# KiCad board Galatea Keyboard PCB.kicad_pcb (continued)
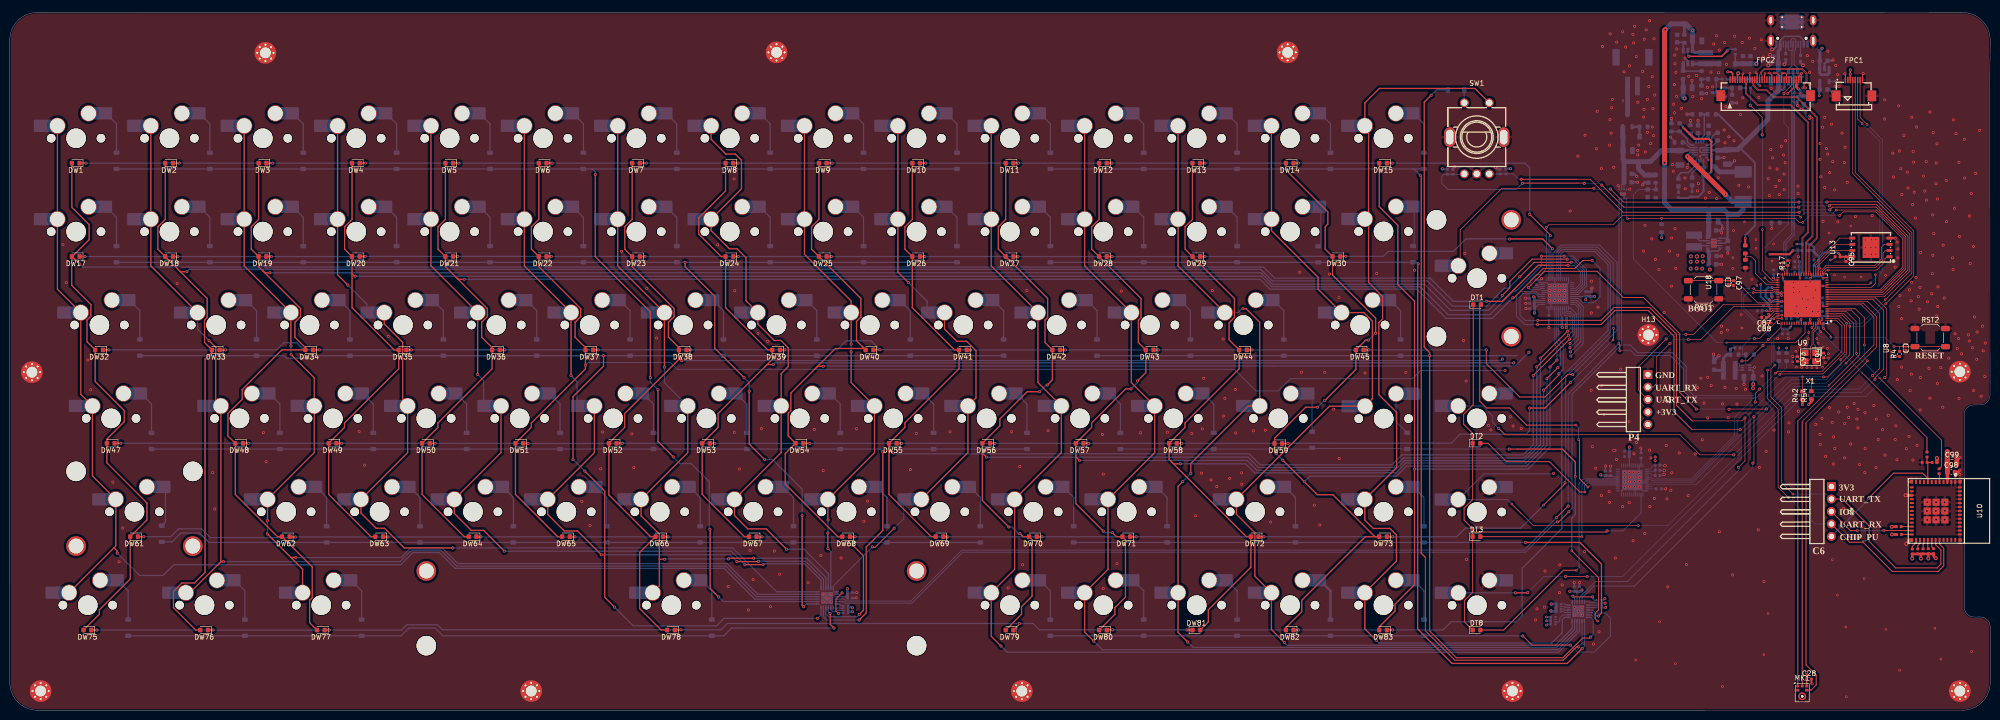
[diagram p0: board, top side]
## Library data of the parts (continued)
U4 = -: Datasheet: https://lcsc.com/product-detail/Others_Diodes-Incorporated_AP3032KTR-G1_Diodes-Incorporated-AP3032KTR-G1_C264086.html; LCSC Part: C264086; Manufacturer: DIODES(美台)
U5 = -: Datasheet: https://www.lcsc.com/datasheet/C3682812.pdf; LCSC Part: C3682812; Manufacturer: MPS(芯源)
U6 = -: Datasheet: https://www.st.com/resource/en/datasheet/usblc6-2.pdf; KiLib_Generator: package/gullwing; LCSC: C558442; JLCPCB part#: C7519; JLCPCB Part #: C7519; ki_fp_filters: SOT?23*
U8 U18 = -: Datasheet: https://www.lcsc.com/datasheet/C2936977.pdf; LCSC Part: C2936977; Manufacturer: TECH PUBLIC(台舟); MPN: ESD5451N
U9 = -: Datasheet: https://www.lcsc.com/datasheet/C22387510.pdf; LCSC Part: C22387510; Manufacturer: ESPRESSIF(乐鑫); MPN: ESP32-P4NRW32
U10 = -: Datasheet: https://www.lcsc.com/datasheet/C42403058.pdf; LCSC Part: C42403058; Manufacturer: ESPRESSIF(乐鑫)
U11 = -: Datasheet: https://www.ti.com/lit/gpn/tlv62569a; Description: High Efficiency Synchronous Buck Converter with forced PWM, Adjustable Output 0.6V-5.5V, 2A, SOT-563-6; KiLib_Generator: package/gullwing; LCSC: C398367; ki_fp_filters: SOT*563*
U12 = -: Datasheet: https://www.lcsc.com/datasheet/C41344912.pdf; LCSC Part: C41344912; Manufacturer: Coilcraft(线艺)
U13 = -: Datasheet: https://www.lcsc.com/datasheet/C2927043.pdf; LCSC Part: C2927043; Manufacturer: GigaDevice(兆易创新)
U14 = -: Datasheet: https://lcsc.com/product-detail/Low-Dropout-Regulators-LDO_RT9193-18GB_C27416.html; LCSC Part: C27416; Manufacturer: RICHTEK(立锜)
U15 = -: Datasheet: http://www.ti.com/lit/ds/symlink/tps63031.pdf; Description: Buck-Boost Converter, 1.8-5.5V Input Voltage, 1A Switch Current, 3.3V Output Voltage, VSON-10 (DSK0010A); KiLib_Generator: package/no_lead; LCSC Part: C15516; ki_fp_filters: WSON*1EP*2.5x2.5mm*P0.5mm*EP1.2x2mm*
U16 = -: Datasheet: https://www.lcsc.com/datasheet/C17382749.pdf; LCSC Part: C17382749; Manufacturer: Coilcraft(线艺)
U17 = -: Datasheet: https://www.lcsc.com/datasheet/C2682616.pdf; LCSC Part: C2682616; Manufacturer: ADI(亚德诺)/MAXIM(美信)
X1 = -: Datasheet: https://lcsc.com/product-detail/SMD-Crystal-Resonators_TAITIEN-Elec-XXDBBCNANF-40-000000MHZ_C521661.html; LCSC Part: C521661; Manufacturer: TAITIEN(泰艺电子)

## Footprints (pads in the part's own frame, mm; a bottom-side part is the same pattern mirrored in y, then rotated)
C_0402
  rrect 0.56x0.62 smd: 1(-0.5,0) 2(0.5,0)
C_0402_1005Metric
  rrect 0.56x0.62 smd: 1(-0.48,0) 2(0.48,0)
C_0603
  rrect 0.9x0.95 smd: 1(-0.78,0) 2(0.78,0)
C_0603_1608Metric
  rrect 0.9x0.95 smd: 1(-0.775,0) 2(0.775,0)
C_0805
  rrect 1x1.45 smd: 1(-0.95,0) 2(0.95,0)
C_0805_2012Metric
  rrect 1x1.45 smd: 1(-0.95,0) 2(0.95,0)
C_1206_3216Metric
  rrect 1.15x1.8 smd: 1(-1.475,0) 2(1.475,0)
CONN-SMD_P2.00_S2B-PH-SM4-TB-LF-SN
  rect 1x3.8 smd: 1(-1,2.93) 2(1,2.93)
  rect 1.5x3.4 smd: 3(3.35,-2.93) 4(-3.35,-2.93)
CRYSTAL-SMD_4P-L3.2-W2.5-BL
  rect 1.4x1.2 smd: 1(-1.1,-0.85) 2(1.1,-0.85) 3(1.1,0.85) 4(-1.1,0.85)
D_SOD-123
  rrect 0.9x1.2 smd: 1(-1.65,0) 2(1.65,0)
DFN1006-2L-BI-1
  rect 0.4x0.6 smd: 1(-0.32,0) 2(0.32,0)
FPC-SMD_8P-P0.50_FH12S-8S-0.5SH-55
  rect 0.3x1.3 smd: 1(-1.75,1.62) 2(-1.25,1.62) 3(-0.75,1.62) 4(-0.25,1.62) 5(0.25,1.62) 6(0.75,1.62) 7(1.25,1.62) 8(1.75,1.62)
  rect 1.8x2.2 smd: 9(3.65,-1.62) 10(-3.65,-1.62)
FPC-SMD_FH12-30S-0.5SH-55
  rect 0.28x1.35 smd: 1(-7.25,1.63) 2(-6.75,1.63) 3(-6.25,1.63) 4(-5.75,1.63) 5(-5.25,1.63) 6(-4.75,1.63) 7(-4.25,1.63) 8(-3.75,1.63) 9(-3.25,1.63) 10(-2.75,1.63) 11(-2.25,1.63) 12(-1.75,1.63) 13(-1.25,1.63) 14(-0.75,1.63) 15(-0.25,1.63) 16(0.25,1.63) 17(0.75,1.63) 18(1.25,1.63) 19(1.75,1.63) 20(2.25,1.63) 21(2.75,1.63) 22(3.25,1.63) 23(3.75,1.63) 24(4.25,1.63) 25(4.75,1.63) 26(5.25,1.63) 27(5.75,1.63) 28(6.25,1.63) 29(6.75,1.63) 30(7.25,1.63)
  rect 1.8x2.2 smd: 31(9.15,-1.63) 32(-9.15,-1.63)
HDR-TH_5P-P2.54-H-M-W10.4
  rect 1.8x1.8 hole 1.1: 1(-5.08,0)
  round 1.8 hole 1.1: 2(-2.54,0) 3(0,0) 4(2.54,0) 5(5.08,0)
IND-SMD_L3.0-W3.0_LPS3015-222ML
  rect 1.5x3.24 smd: 1(-1.19,0) 2(1.19,0)
IND-SMD_L3.0-W3.0_SWPA3010S
  rect 1x3 smd: 1(1.15,0) 2(-1.15,0)
IND-SMD_L4.0-W4.0-A
  rect 1x3.8 smd: 1(-1.2,0) 2(1.2,0)
IND-SMD_L6.6-W6.6
  rect 2.35x3.5 smd: 1(-3.03,0) 2(3.03,0)
InvenSense_ICS-43434-6_3.5x2.65mm
  round 0.5 hole 0.5 unplated: (0,-0.71)
  rect 0.6x0.522 smd: 1(-0.9,1.364) 2(-0.9,0.542) 4(0.9,0.542) 5(0.9,1.364) 6(0,1.364)
  custom 1.625x1.625 smd: 3(0.662,-0.71)
L0603
  rect 0.8x0.864 smd: 1(-0.7,0) 2(0.7,0)
LED_0603_1608Metric
  rrect 0.875x0.95 smd: 1(-0.787,0) 2(0.787,0)
MountingHole_2.2mm_M2_Pad_Via
  round 0.7 hole 0.4: 1(-1.65,0) 1(-1.167,1.167) 1(-1.167,-1.167) 1(0,1.65) 1(0,-1.65) 1(1.167,1.167) 1(1.167,-1.167) 1(1.65,0)
  round 4.4 hole 2.2: 1(0,0)
Q_SOT-23
  rrect 1.48x0.6 smd: 1(-0.94,0.95) 2(-0.94,-0.95) 3(0.94,0)
QFN-20_L4.0-W3.0-P0.50_MP2625BGL
  oval 0.79x0.28 smd: 1(-1.41,1.25) 6(-1.41,-1.25) 11(1.41,-1.25) 16(1.41,1.25)
  oval 1.5x0.28 smd: 2(-1.11,0.75) 3(-1.11,0.25) 4(-1.11,-0.25) 5(-1.11,-0.75) 12(1.11,-0.75) 13(1.11,-0.25) 14(1.11,0.25) 15(1.11,0.75)
  oval 0.28x0.79 smd: 7(-0.75,-1.91) 8(-0.25,-1.91) 9(0.25,-1.91) 10(0.75,-1.91) 17(0.75,1.91) 18(0.25,1.91) 19(-0.25,1.91) 20(-0.75,1.91)
QFN-48-1EP_6x6mm_P0.4mm_EP4.2x4.2mm
  rrect 1.13x1.13 smd: (-1.4,-1.4) (-1.4,0) (-1.4,1.4) (0,-1.4) (0,0) (0,1.4) (1.4,-1.4) (1.4,0) (1.4,1.4)
  rrect 0.85x0.2 smd: 1(-2.95,2.2) 2(-2.95,1.8) 3(-2.95,1.4) 4(-2.95,1) 5(-2.95,0.6) 6(-2.95,0.2) 7(-2.95,-0.2) 8(-2.95,-0.6) 9(-2.95,-1) 10(-2.95,-1.4) 11(-2.95,-1.8) 12(-2.95,-2.2) 25(2.95,-2.2) 26(2.95,-1.8) 27(2.95,-1.4) 28(2.95,-1) 29(2.95,-0.6) 30(2.95,-0.2) 31(2.95,0.2) 32(2.95,0.6) 33(2.95,1) 34(2.95,1.4) 35(2.95,1.8) 36(2.95,2.2)
  rrect 0.2x0.85 smd: 13(-2.2,-2.95) 14(-1.8,-2.95) 15(-1.4,-2.95) 16(-1,-2.95) 17(-0.6,-2.95) 18(-0.2,-2.95) 19(0.2,-2.95) 20(0.6,-2.95) 21(1,-2.95) 22(1.4,-2.95) 23(1.8,-2.95) 24(2.2,-2.95) 37(2.2,2.95) 38(1.8,2.95) 39(1.4,2.95) 40(1,2.95) 41(0.6,2.95) 42(0.2,2.95) 43(-0.2,2.95) 44(-0.6,2.95) 45(-1,2.95) 46(-1.4,2.95) 47(-1.8,2.95) 48(-2.2,2.95)
  rect 4.2x4.2 smd: 49(0,0)
QFN-104_L10.0-W10.0-P0.35-TL-EP7.5
  rect 0.65x0.15 smd: 1(-5,4.37) 2(-5,4.02) 3(-5,3.67) 4(-5,3.32) 5(-5,2.98) 6(-5,2.63) 7(-5,2.28) 8(-5,1.93) 9(-5,1.58) 10(-5,1.23) 11(-5,0.88) 12(-5,0.53) 13(-5,0.18) 14(-5,-0.18) 15(-5,-0.53) 16(-5,-0.88) 17(-5,-1.23) 18(-5,-1.58) 19(-5,-1.93) 20(-5,-2.28) 21(-5,-2.63) 22(-5,-2.98) 23(-5,-3.33) 24(-5,-3.68) 25(-5,-4.02) 26(-5,-4.37) 53(5,-4.37) 54(5,-4.02) 55(5,-3.67) 56(5,-3.32) 57(5,-2.98) 58(5,-2.63) 59(5,-2.28) 60(5,-1.93) 61(5,-1.58) 62(5,-1.23) 63(5,-0.88) 64(5,-0.53) 65(5,-0.18) 66(5,0.18) 67(5,0.53) 68(5,0.88) 69(5,1.23) 70(5,1.58) 71(5,1.93) 72(5,2.28) 73(5,2.63) 74(5,2.98) 75(5,3.33) 76(5,3.68) 77(5,4.02) 78(5,4.37)
  rect 0.15x0.65 smd: 27(-4.37,-5) 28(-4.02,-5) 29(-3.67,-5) 30(-3.32,-5) 31(-2.98,-5) 32(-2.63,-5) 33(-2.28,-5) 34(-1.93,-5) 35(-1.58,-5) 36(-1.23,-5) 37(-0.88,-5) 38(-0.53,-5) 39(-0.18,-5) 40(0.18,-5) 41(0.53,-5) 42(0.88,-5) 43(1.23,-5) 44(1.58,-5) 45(1.93,-5) 46(2.28,-5) 47(2.63,-5) 48(2.98,-5) 49(3.33,-5) 50(3.68,-5) 51(4.02,-5) 52(4.37,-5) 79(4.37,5) 80(4.02,5) 81(3.67,5) 82(3.32,5) 83(2.98,5) 84(2.63,5) 85(2.28,5) 86(1.93,5) 87(1.58,5) 88(1.23,5) 89(0.88,5) 90(0.53,5) 91(0.18,5) 92(-0.18,5) 93(-0.53,5) 94(-0.88,5) 95(-1.23,5) 96(-1.58,5) 97(-1.93,5) 98(-2.28,5) 99(-2.63,5) 100(-2.98,5) 101(-3.33,5) 102(-3.68,5) 103(-4.02,5) 104(-4.37,5)
  rect 7.5x7.5 smd: 105(0,0)
R_0402
  rrect 0.56x0.62 smd: 1(-0.5,0) 2(0.5,0)
R_0402_1005Metric
  rrect 0.54x0.64 smd: 1(-0.51,0) 2(0.51,0)
R_0402_1005Metric_Pad0.72x0.64mm_HandSolder
  rrect 0.715x0.64 smd: 1(-0.598,0) 2(0.598,0)
R_0603
  rrect 0.8x0.95 smd: 1(-0.82,0) 2(0.82,0)
R_0603_1608Metric
  rrect 0.8x0.95 smd: 1(-0.825,0) 2(0.825,0)
R_0805
  rrect 1.02x1.4 smd: 1(-0.91,0) 2(0.91,0)
R_Array_Convex_4x0402
  rect 0.5x0.4 smd: 1(-0.5,0.75) 4(-0.5,-0.75) 5(0.5,-0.75) 8(0.5,0.75)
  rect 0.5x0.3 smd: 2(-0.5,0.25) 3(-0.5,-0.25) 6(0.5,-0.25) 7(0.5,0.25)
SOD-123_L2.8-W1.8-LS3.7-RD
  rect 0.95x1.15 smd: 1(-1.69,0) 2(1.69,0)
SOT-23-3_L2.9-W1.6-P1.90-LS2.8-BR
  rect 1.07x0.6 smd: 1(1.24,-0.95) 2(1.24,0.95) 3(-1.24,0)
SOT-23-5_L3.0-W1.7-P0.95-LS2.8-BR
  rect 1.1x0.6 smd: 1(1.3,-0.95) 2(1.3,0) 3(1.3,0.95) 4(-1.3,0.95) 5(-1.3,-0.95)
SOT-23-6
  rrect 1.325x0.6 smd: 1(-1.137,0.95) 2(-1.137,0) 3(-1.137,-0.95) 4(1.137,-0.95) 5(1.137,0) 6(1.137,0.95)
SOT-23-6_L2.9-W1.6-P0.95-LS2.8-BR
  rect 1.1x0.6 smd: 1(1.35,-0.95) 2(1.35,0) 3(1.35,0.95) 4(-1.35,0.95) 5(-1.35,0) 6(-1.35,-0.95)
SOT-563
  rrect 0.675x0.35 smd: 1(-0.713,0.5) 2(-0.713,0) 3(-0.713,-0.5) 4(0.713,-0.5) 5(0.713,0) 6(0.713,0.5)
STAB_MX_P_2.25u
  round 3.988 hole 3.988 unplated: (-11.906,-8.255) (11.906,-8.255)
  round 4 hole 3.048: (-11.906,6.985) (11.906,6.985)
STAB_MX_P_2u
  round 3.988 hole 3.988 unplated: (-11.906,-8.255) (11.906,-8.255)
  round 4 hole 3.048: (-11.906,6.985) (11.906,6.985)
STAB_MX_P_6.25u
  round 3.988 hole 3.988 unplated: (-50.006,-8.255) (50.006,-8.255)
  round 4 hole 3.048: (-50.006,6.985) (50.006,6.985)
SW-TH_EC11XXXXXXXX
  oval 2.3x4 hole 1.5x3: 6(5.5,0.25) 7(-5.5,0.25)
  round 1.8 hole 1.3: A(-2.54,-7.25) B(2.54,-7.25) C(0,-7.25) D(-2.54,7.25) E(2.54,7.25)
SW_MX_HS_CPG151101S11_1.5u
  round 1.75 hole 1.75 unplated: (-5.08,0) (5.08,0)
  round 3.988 hole 3.988 unplated: (0,0)
  round 3.3 hole 3: 1(3.81,2.54) 2(-2.54,5.08)
  rect 1.65x2.5 smd: 1(5.635,2.54) 2(-4.34,5.08)
  rrect 2.55x2.5 smd: 1(7.36,2.54) 2(-6.09,5.08)
SW_MX_HS_CPG151101S11_1.25u
  round 1.75 hole 1.75 unplated: (-5.08,0) (5.08,0)
  round 3.988 hole 3.988 unplated: (0,0)
  round 3.3 hole 3: 1(3.81,2.54) 2(-2.54,5.08)
  rect 1.65x2.5 smd: 1(5.635,2.54) 2(-4.34,5.08)
  rrect 2.55x2.5 smd: 1(7.36,2.54) 2(-6.09,5.08)
SW_MX_HS_CPG151101S11_1.75u
  round 1.75 hole 1.75 unplated: (-5.08,0) (5.08,0)
  round 3.988 hole 3.988 unplated: (0,0)
  round 3.3 hole 3: 1(3.81,2.54) 2(-2.54,5.08)
  rect 1.65x2.5 smd: 1(5.635,2.54) 2(-4.34,5.08)
  rrect 2.55x2.5 smd: 1(7.36,2.54) 2(-6.09,5.08)
SW_MX_HS_CPG151101S11_1u
  round 1.75 hole 1.75 unplated: (-5.08,0) (5.08,0)
  round 3.988 hole 3.988 unplated: (0,0)
  round 3.3 hole 3: 1(3.81,2.54) 2(-2.54,5.08)
  rect 1.65x2.5 smd: 1(5.635,2.54) 2(-4.34,5.08)
  rrect 2.55x2.5 smd: 1(7.36,2.54) 2(-6.09,5.08)
SW_SPST_SKQG_WithStem
  rrect 1.8x1.1 smd: 1(-3.1,1.85) 1(3.1,1.85) 2(-3.1,-1.85) 2(3.1,-1.85)
TDFN-8_L2.0-W2.0-P0.50-BL-EP1.2
  rect 0.28x0.425 smd: 1(-0.75,-0.94) 2(-0.25,-0.94) 3(0.25,-0.94) 4(0.75,-0.94) 5(0.75,0.94) 6(0.25,0.94) 7(-0.25,0.94) 8(-0.75,0.94)
  rect 1.2x0.8 smd: 9(0,0)
TYPE-C-SMD_HX-TYPE-C-16PIN
  round 0.6 hole 0.6 unplated: (-2.89,1.3) (2.89,1.3)
  rect 0.3x1.4 smd: A5(-1.25,2.5) A6(-0.25,2.5) A7(0.25,2.5) A8(1.25,2.5) B5(1.75,2.5) B6(0.75,2.5) B7(-0.75,2.5) B8(-1.75,2.5)
  rect 0.5x1.4 smd: A9B4(2.4,2.5) A12B1(3.2,2.5) B9A4(-2.4,2.5) B12A1(-3.2,2.5)
  oval 1.3x2.1 hole 0.5x1.3: S1(-4.33,-2.38) S1(4.33,-2.38)
  oval 1.3x2.3 hole 0.5x1.6: S1(-4.33,1.82) S1(4.33,1.82)
  round 0.5 hole 0.3: S1(-2,-3) S1(-2,-1) S1(2,-3) S1(2,-1)
  rrect 5x3 smd: S1(0,-2)
WIFIM-SMD_61P-L16.6-W13.2-P0.80-ESP32-C6-MINI-1-N4
  rect 0.8x0.4 smd: 1(-5.9,3.98) 2(-5.9,3.17) 3(-5.9,2.37) 4(-5.9,1.58) 5(-5.9,0.77) 6(-5.9,-0.02) 7(-5.9,-0.82) 8(-5.9,-1.63) 9(-5.9,-2.42) 10(-5.9,-3.23) 11(-5.9,-4.03) 25(5.9,-4.03) 26(5.9,-3.23) 27(5.9,-2.42) 28(5.9,-1.63) 29(5.9,-0.82) 30(5.9,-0.03) 31(5.9,0.77) 32(5.9,1.58) 33(5.9,2.37) 34(5.9,3.17) 35(5.9,3.98)
  rect 0.4x0.8 smd: 12(-4.8,-4.9) 13(-4,-4.9) 14(-3.2,-4.9) 15(-2.4,-4.9) 16(-1.6,-4.9) 17(-0.8,-4.9) 18(0,-4.9) 19(0.8,-4.9) 20(1.6,-4.9) 21(2.4,-4.9) 22(3.2,-4.9) 23(4,-4.9) 24(4.8,-4.9) 36(4.8,4.9) 37(4,4.9) 38(3.2,4.9) 39(2.4,4.9) 40(1.6,4.9) 41(0.8,4.9) 42(0,4.9) 43(-0.8,4.9) 44(-1.6,4.9) 45(-2.4,4.9) 46(-3.2,4.9) 47(-4,4.9) 48(-4.8,4.9)
  rect 1.45x1.45 smd: 49(-1.78,1.85) 49(-1.78,0.05) 49(-1.78,-1.75) 49(0.02,1.85) 49(0.02,0.05) 49(0.02,-1.75) 49(1.82,1.85) 49(1.82,0.05) 49(1.82,-1.75)
  rect 0.7x0.7 smd: 50(5.95,4.95) 51(5.95,-4.95) 52(-5.95,-4.95) 53(-5.95,4.95)
WQFN-24-1EP_4x4mm_P0.5mm_EP2.45x2.45mm
  rrect 0.99x0.99 smd: (-0.61,-0.61) (-0.61,0.61) (0.61,-0.61) (0.61,0.61)
  rrect 0.875x0.3 smd: 1(-1.938,1.25) 2(-1.938,0.75) 3(-1.938,0.25) 4(-1.938,-0.25) 5(-1.938,-0.75) 6(-1.938,-1.25) 13(1.938,-1.25) 14(1.938,-0.75) 15(1.938,-0.25) 16(1.938,0.25) 17(1.938,0.75) 18(1.938,1.25)
  rrect 0.3x0.875 smd: 7(-1.25,-1.938) 8(-0.75,-1.938) 9(-0.25,-1.938) 10(0.25,-1.938) 11(0.75,-1.938) 12(1.25,-1.938) 19(1.25,1.938) 20(0.75,1.938) 21(0.25,1.938) 22(-0.25,1.938) 23(-0.75,1.938) 24(-1.25,1.938)
  rect 2.45x2.45 smd: 25(0,0)
WSON-8_L8.0-W6.0-P1.27-BL-EP-1
  rect 0.6x1.2 smd: 1(-1.9,-3.8) 2(-0.63,-3.8) 3(0.63,-3.8) 4(1.9,-3.8) 5(1.9,3.8) 6(0.63,3.8) 7(-0.63,3.8) 8(-1.9,3.8)
  rect 4.3x3.4 smd: 9(0,0)
WSON-10-1EP_2.5x2.5mm_P0.5mm_EP1.2x2mm
  rrect 0.48x0.81 smd: (-0.3,-0.5) (-0.3,0.5) (0.3,-0.5) (0.3,0.5)
  rrect 0.825x0.25 smd: 1(-1.212,1) 2(-1.212,0.5) 3(-1.212,0) 4(-1.212,-0.5) 5(-1.212,-1) 6(1.212,-1) 7(1.212,-0.5) 8(1.212,0) 9(1.212,0.5) 10(1.212,1)
  rect 1.2x2 smd: 11(0,0)
X1-DFN1006-2_L1.0-W0.6-P0.65-BI
  rect 0.35x0.55 smd: 1(-0.32,0) 2(0.32,0)

## Nets
/ROTARY, TACT SWITCH AND LCD/0V_PIN: R25.2 U4.5
GND: B1.1 B2.1 C1.2 C2.2 C3.2 C4.2 C5.2 C6.2 C7.2 C8.2 C9.2 C10.2 C11.2 C12.2 C13.2 C15.2 C16.2 C17.2 C18.2 C19.2 C20.2 C21.2 C22.2 C23.2 C24.2 C25.2 C26.2 C27.2 C28.2 C29.2 C34.2 C35.2 C36.2 C39.2 C40.2 C41.2 C44.2 C45.2 C46.2 C47.2 C48.2 C49.2 C50.2 C51.2 C52.2 C53.2 C54.2 C55.2 C56.2 C57.2 C58.2 C59.2 C60.2 C61.2 C62.2 C63.2 C64.2 C65.2 C66.2 C67.2 C68.2 C69.2 C70.2 C71.2 C72.2 C73.2 C74.2 C75.2 C76.2 C77.2 C78.2 C79.2 C80.2 C81.2 C82.2 C83.2 C85.2 C86.2 C87.2 C88.2 C89.2 C90.2 C91.2 C92.2 C93.1 C94.1 C95.2 C96.2 C97.2 C98.2 C99.2 C100.2 CN1.2 CN1.3 CN1.4 FPC1.1 FPC1.8 FPC1.9 FPC1.10 FPC2.6 FPC2.9 FPC2.12 FPC2.15 FPC2.18 FPC2.21 FPC2.22 FPC2.24 FPC2.29 FPC2.30 FPC2.31 FPC2.32 H2.1 H3.1 H5.1 H6.1 H7.1 H8.1 H9.1 H10.1 H11.1 H12.1 H13.1 J1.A12B1 J1.B12A1 J1.S1 J3.1 MK1.2 MK1.3 MX31.2 Q1.2 R1.2 R2.2 R5.2 R6.2 R7.2 R8.2 R11.2 R12.2 R14.2 R16.2 R17.2 R27.2 R33.2 R35.2 R38.2 R44.2 R45.2 R47.2 R55.1 RST1.1 RST2.1 SW1.6 SW1.7 SW1.C SW_1.2 SW_2.2 SW_3.2 U1.19 U1.25 U2.19 U2.25 U3.5 U3.12 U3.34 U3.43 U3.44 U3.48 U3.49 U4.2 U5.5 U5.6 U5.8 U5.11 U6.2 U7.5 U7.12 U7.34 U7.43 U7.44 U7.48 U7.49 U8.1 U9.105 U10.1 U10.2 U10.11 U10.14 U10.36 U10.37 U10.38 U10.39 U10.40 U10.41 U10.42 U10.43 U10.44 U10.45 U10.46 U10.47 U10.48 U10.49 U10.50 U10.51 U10.52 U10.53 U11.2 U13.4 U13.9 U14.2 U15.3 U15.7 U15.9 U15.11 U17.1 U17.4 U17.6 U17.9 U18.1 X1.2 X1.4
VBUS: C18.1 C74.1 C80.1 L2.2 R43.1 R48.1 U5.3 U6.5
VCC: C85.1 R3.1 R36.1 R37.1 R49.1 U5.20
VCC_1.8V: C67.1 FPC2.27 U14.5
VDD_FLASH: C34.1 C45.1 C95.1 R15.2 R56.2 R57.2 U9.30 U13.8
VDDO_3: C39.1 C46.1 C47.1 C87.1 U9.41 U9.73
VDDO_4: C57.1 C88.1 C100.1 U9.74 U9.85
VDDO_PSRAM: C86.1 C90.1 C91.1 U9.59 U9.67 U9.72
+BATT: C17.1 C76.1 C77.1 C81.1 C83.1 D74.1 Q2.2 R46.1 U5.14 U17.2 U17.3
/KEYBOARD MATRIX/I2C0_SCL: R40.2 U1.23 U7.42 U9.1 U17.7
/KEYBOARD MATRIX/I2C0_SDA: R41.2 U1.22 U7.41 U9.2 U17.8
/KEYBOARD MATRIX/I2C1_SCL: FPC1.4 R54.2 U2.23 U3.42 U9.3
/KEYBOARD MATRIX/I2C1_SDA: FPC1.5 R42.2 U2.22 U3.41 U9.4
/MCU SECTION/ALERT: R39.2 U9.19 U17.5
/MCU SECTION/C6_CHIP_PU: C78.1 J4.5 R51.2 R53.1 U10.8
/MCU SECTION/C6_IO2: R50.2 U10.5
/MCU SECTION/C6_IO9: J4.3 U10.23
/MCU SECTION/C6_IO12: U10.17
/MCU SECTION/C6_IO13: U10.18
/MCU SECTION/C6_U0RXD: J4.4 U9.60 U10.31
/MCU SECTION/C6_U0TXD: J4.2 U9.61 U10.30
/MCU SECTION/CSI_REXT: R17.1 U9.48
/MCU SECTION/CTP_INT: FPC1.6 U9.20
/MCU SECTION/CTP_RST: FPC1.7 U9.22
/MCU SECTION/DSI_CLK_N: FPC2.13 U9.37
/MCU SECTION/DSI_CLK_P: FPC2.14 U9.38
/MCU SECTION/DSI_DATA0_N: FPC2.7 U9.40
/MCU SECTION/DSI_DATA0_P: FPC2.8 U9.39
/MCU SECTION/DSI_DATA1_N: FPC2.10 U9.36
/MCU SECTION/DSI_DATA1_P: FPC2.11 U9.35
/MCU SECTION/DSI_REXT: R16.1 U9.34
/MCU SECTION/EN_DCDC: U9.79 U11.5
/MCU SECTION/ENC_A: C19.1 R9.2 SW1.A U9.16
/MCU SECTION/ENC_B: C20.1 R10.2 SW1.B U9.17
/MCU SECTION/ESP_EN: C96.1 R4.2 RST2.2 U8.2 U9.103
/MCU SECTION/FB_DCDC: C14.2 R13.2 R14.1 U9.78 U11.1
/MCU SECTION/FLASH_CK: U9.32 U13.6
/MCU SECTION/FLASH_CS: R15.1 U9.27 U13.1
/MCU SECTION/FLASH_D: U9.33 U13.5
/MCU SECTION/FLASH_HD: U9.31 U13.7
/MCU SECTION/FLASH_Q: U9.28 U13.2
/MCU SECTION/FLASH_WP: U9.29 U13.3
/MCU SECTION/GPIO6: R50.1 U9.6
/MCU SECTION/GPIO54: R51.1 U9.98
/MCU SECTION/GPIO_35: C97.1 RST1.2 U9.66 U18.2
/MCU SECTION/LCD_BL_PWM: R34.1 U9.55
/MCU SECTION/LCD_RESET: FPC2.26 R55.2 U9.56
/MCU SECTION/LED_INTB: U3.45 U7.45 U9.5
/MCU SECTION/MIC_BTN: MX31.1 U9.15
/MCU SECTION/MIC_SCK: MK1.4 U9.8
/MCU SECTION/MIC_SD: MK1.6 U9.11
/MCU SECTION/MIC_WS: MK1.1 U9.10
/MCU SECTION/SDB: U3.46 U9.18
/MCU SECTION/SDB_1: U7.46 U9.7
/MCU SECTION/Tact_1: SW_1.1 U9.12
/MCU SECTION/Tact_2: SW_2.1 U9.13
/MCU SECTION/Tact_3: SW_3.1 U9.14
/MCU SECTION/UART0_RXD: J3.2 U9.70
/MCU SECTION/UART0_TXD: J3.3 U9.69
/MCU SECTION/USB_C+: U6.4 U9.50
/MCU SECTION/USB_C-: U6.6 U9.49
/MCU SECTION/usb_vbus_det: R43.2 R44.1 U9.57
/MCU SECTION/VADC: C82.1 R46.2 R47.1 U9.93
/MCU SECTION/XTAL_N: C93.2 U9.99 X1.3
/MCU SECTION/XTAL_P: C94.2 U9.100 X1.1
/POWER SECTION/USB+: J1.A6 J1.B6 U6.3
/POWER SECTION/USB-: J1.A7 J1.B7 U6.1
COL0: MX1.1 MX17.1 MX32.1 MX47.1 MX61.1 MX75.1 U1.9
COL1: MX2.1 MX18.1 MX33.1 MX48.1 MX76.1 U1.10
COL2: MX3.1 MX19.1 MX34.1 MX49.1 MX62.1 MX77.1 U1.11
COL3: MX4.1 MX20.1 MX35.1 MX50.1 MX63.1 U1.12
COL4: MX5.1 MX21.1 MX36.1 MX51.1 MX64.1 U1.13
COL5: MX6.1 MX22.1 MX37.1 MX52.1 MX65.1 U1.14
COL6: MX7.1 MX23.1 MX38.1 MX53.1 MX66.1 MX78.1 U1.15
COL7: MX8.1 MX24.1 MX39.1 MX54.1 MX67.1 U1.16
COL8: MX9.1 MX25.1 MX40.1 MX55.1 MX68.1 U1.17
COL9: MX10.1 MX26.1 MX41.1 MX56.1 MX69.1 U1.18
COL10: MX11.1 MX27.1 MX42.1 MX57.1 MX70.1 MX79.1 U2.9
COL11: MX12.1 MX28.1 MX43.1 MX58.1 MX71.1 MX80.1 U2.10
COL12: MX13.1 MX29.1 MX44.1 MX81.1 MX85.1 U2.11
COL13: MX14.1 MX16.1 MX30.1 MX45.1 MX72.1 MX82.1 U2.12
COL14: MX15.1 MX46.1 MX73.1 MX83.1 SW1.E U2.13
CS1: DW1.2 DW17.2 DW32.2 DW47.2 DW61.2 DW75.2 U3.16
CS2: DW2.2 DW18.2 DW33.2 DW76.2 U3.17
CS3: DW3.2 DW19.2 DW34.2 DW48.2 DW62.2 DW77.2 U3.18
CS4: DW4.2 DW20.2 DW35.2 DW49.2 DW63.2 U3.19
CS5: DW5.2 DW21.2 DW36.2 DW50.2 DW64.2 U3.21
CS6: DW6.2 DW22.2 DW37.2 DW51.2 DW65.2 U3.22
CS7: DW7.2 DW23.2 DW38.2 DW52.2 DW66.2 DW78.2 U3.23
CS8: DW8.2 DW24.2 DW39.2 DW53.2 DW67.2 U3.24
CS9: DW9.2 DW25.2 DW40.2 DW54.2 DW68.2 U3.25
CS10: DW10.2 DW26.2 DW41.2 DW55.2 DW69.2 U3.26
CS11: DW11.2 DW27.2 DW42.2 DW56.2 DW70.2 DW79.2 U3.27
CS12: DW12.2 DW28.2 DW43.2 DW57.2 DW71.2 DW80.2 U3.28
CS13: DW13.2 DW29.2 DW44.2 DW58.2 DW72.2 DW81.2 U3.30
CS14: DW14.2 DW30.2 DW45.2 DW59.2 DW73.2 DW82.2 U3.31
CS15: DW15.2 DW83.2 U3.32
CS_1: DT1.2 U7.16
CS_2: DT2.2 U7.17
CS_3: DT3.2 U7.18
CS_4: DT8.2 U7.19
ESP_3V3: C1.1 C2.1 C3.1 C4.1 C5.1 C6.1 C7.1 C8.1 C9.1 C10.1 C11.1 C21.1 C22.1 C23.1 C24.1 C25.1 C26.1 C27.1 C28.1 C35.1 C36.1 C41.1 C48.1 C49.1 C50.1 C51.1 C52.1 C53.1 C54.1 C55.1 C58.1 C60.1 C61.1 C69.1 C70.1 C72.1 C73.1 C89.1 C98.1 C99.1 FPC1.3 FPC2.28 J3.4 J4.1 MK1.5 R4.1 R9.1 R10.1 R18.2 R19.2 R20.2 R21.2 R22.2 R23.2 R28.1 R39.1 R40.1 R41.1 R42.1 R52.2 R53.2 R54.1 R57.1 RN1.1 RN1.2 RN1.3 RN1.4 RN2.1 RN2.2 RN2.3 RN2.4 RN5.1 RN5.2 RN5.3 RN5.4 RN6.1 RN6.2 RN6.3 RN6.4 U1.21 U2.21 U3.20 U3.29 U3.37 U3.38 U3.39 U7.20 U7.29 U7.37 U7.38 U7.39 U9.9 U9.21 U9.51 U9.62 U9.75 U9.77 U9.96 U9.101 U9.102 U10.3 U11.3 U15.1 U15.10
ESP_LDO_VO1: C62.1 R56.1 U9.71
ESP_VDD_HP: C14.1 C15.1 C40.1 C44.1 C56.1 C59.1 C92.1 R13.1 U9.26 U9.54 U9.76 U9.91 U12.2
IICRST: R11.1 U7.47
IICRST1: R1.1 U3.47
ISET: R12.1 U7.35
ISET1: R2.1 U3.35
KEY_INT: RN1.8 U1.24
KEY_INT1: RN5.7 U2.24
LEDA: C63.1 C64.1 D31.1 FPC2.4 R25.1
LEDK: FPC2.2 R26.1 R27.1
ROW0: D1.2 D2.2 D3.2 D4.2 D5.2 D6.2 D7.2 D8.2 D9.2 D10.2 U1.8
ROW1: D17.2 D18.2 D19.2 D20.2 D21.2 D22.2 D23.2 D24.2 D25.2 D26.2 U1.7
ROW2: D32.2 D33.2 D34.2 D35.2 D36.2 D37.2 D38.2 D39.2 D40.2 D41.2 U1.6
ROW3: D47.2 D48.2 D49.2 D50.2 D51.2 D52.2 D53.2 D54.2 D55.2 D56.2 U1.5
ROW4: D61.2 D62.2 D63.2 D64.2 D65.2 D66.2 D67.2 D68.2 D69.2 U1.4
ROW5: D75.2 D76.2 D77.2 D78.2 U1.3
ROW_0: D11.2 D12.2 D13.2 D14.2 D15.2 U2.8
ROW_1: D27.2 D28.2 D29.2 D30.2 D46.2 U2.7
ROW_2: D42.2 D43.2 D44.2 D45.2 RD1.2 U2.6
ROW_3: D16.2 D57.2 D58.2 D85.2 U2.5
ROW_4: D70.2 D71.2 D72.2 D73.2 U2.4
ROW_5: D79.2 D80.2 D81.2 D82.2 D83.2 U2.3
SW1: DW1.1 DW2.1 DW3.1 DW4.1 DW5.1 DW6.1 DW7.1 DW8.1 DW9.1 DW10.1 DW11.1 DW12.1 DW13.1 DW14.1 DW15.1 U3.2
SW2: DW17.1 DW18.1 DW19.1 DW20.1 DW21.1 DW22.1 DW23.1 DW24.1 DW25.1 DW26.1 DW27.1 DW28.1 DW29.1 DW30.1 U3.3
SW3: DW32.1 DW33.1 DW34.1 DW35.1 DW36.1 DW37.1 DW38.1 DW39.1 DW40.1 DW41.1 DW42.1 DW43.1 DW44.1 DW45.1 U3.4
SW4: DW47.1 DW48.1 DW49.1 DW50.1 DW51.1 DW52.1 DW53.1 DW54.1 DW55.1 DW56.1 DW57.1 DW58.1 DW59.1 U3.6
SW5: DW61.1 DW62.1 DW63.1 DW64.1 DW65.1 DW66.1 DW67.1 DW68.1 DW69.1 DW70.1 DW71.1 DW72.1 DW73.1 U3.7
SW6: DW75.1 DW76.1 DW77.1 DW78.1 DW79.1 DW80.1 DW81.1 DW82.1 DW83.1 U3.8
SW_1: DT1.1 DT2.1 DT3.1 DT8.1 U7.2
SYS: C13.1 C16.1 C29.1 C68.1 C71.1 L1.1 L3.1 R24.1 U4.6 U5.13 U14.1 U14.3 U15.5 U15.6 U15.8
Net-(B1-IO2): B1.2 C79.1 J1.A9B4 J1.B9A4 L2.1
Net-(B2-IO2): B2.2 CN1.1 Q2.3
Net-(C65-Pad1): C65.1 R30.2 R31.2
Net-(C84-Pad1): C84.1 L3.2 U5.2 U5.4
Net-(D1-K): D1.1 MX1.2
Net-(D2-K): D2.1 MX2.2
Net-(D3-K): D3.1 MX3.2
Net-(D4-K): D4.1 MX4.2
Net-(D5-K): D5.1 MX5.2
Net-(D6-K): D6.1 MX6.2
Net-(D7-K): D7.1 MX7.2
Net-(D8-K): D8.1 MX8.2
Net-(D9-K): D9.1 MX9.2
Net-(D10-K): D10.1 MX10.2
Net-(D11-K): D11.1 MX11.2
Net-(D12-K): D12.1 MX12.2
Net-(D13-K): D13.1 MX13.2
Net-(D14-K): D14.1 MX14.2
Net-(D15-K): D15.1 MX15.2
Net-(D16-K): D16.1 MX30.2
Net-(D17-K): D17.1 MX17.2
Net-(D18-K): D18.1 MX18.2
Net-(D19-K): D19.1 MX19.2
Net-(D20-K): D20.1 MX20.2
Net-(D21-K): D21.1 MX21.2
Net-(D22-K): D22.1 MX22.2
Net-(D23-K): D23.1 MX23.2
Net-(D24-K): D24.1 MX24.2
Net-(D25-K): D25.1 MX25.2
Net-(D26-K): D26.1 MX26.2
Net-(D27-K): D27.1 MX27.2
Net-(D28-K): D28.1 MX28.2
Net-(D29-K): D29.1 MX29.2
Net-(D30-K): D30.1 MX16.2
Net-(D32-K): D32.1 MX32.2
Net-(D33-K): D33.1 MX33.2
Net-(D34-K): D34.1 MX34.2
Net-(D35-K): D35.1 MX35.2
Net-(D36-K): D36.1 MX36.2
Net-(D37-K): D37.1 MX37.2
Net-(D38-K): D38.1 MX38.2
Net-(D39-K): D39.1 MX39.2
Net-(D40-K): D40.1 MX40.2
Net-(D41-K): D41.1 MX41.2
Net-(D42-K): D42.1 MX42.2
Net-(D43-K): D43.1 MX43.2
Net-(D44-K): D44.1 MX44.2
Net-(D45-K): D45.1 MX45.2
Net-(D46-K): D46.1 MX46.2
Net-(D47-K): D47.1 MX47.2
Net-(D48-K): D48.1 MX48.2
Net-(D49-K): D49.1 MX49.2
Net-(D50-K): D50.1 MX50.2
Net-(D51-K): D51.1 MX51.2
Net-(D52-K): D52.1 MX52.2
Net-(D53-K): D53.1 MX53.2
Net-(D54-K): D54.1 MX54.2
Net-(D55-K): D55.1 MX55.2
Net-(D56-K): D56.1 MX56.2
Net-(D57-K): D57.1 MX57.2
Net-(D58-K): D58.1 MX58.2
Net-(D59-A): D59.2 R3.2
Net-(D59-K): D59.1 U5.10
Net-(D60-A): D60.2 R37.2
Net-(D60-K): D60.1 U5.9
Net-(D61-K): D61.1 MX61.2
Net-(D62-K): D62.1 MX62.2
Net-(D63-K): D63.1 MX63.2
Net-(D64-K): D64.1 MX64.2
Net-(D65-K): D65.1 MX65.2
Net-(D66-K): D66.1 MX66.2
Net-(D67-K): D67.1 MX67.2
Net-(D68-K): D68.1 MX68.2
Net-(D69-K): D69.1 MX69.2
Net-(D70-K): D70.1 MX70.2
Net-(D71-K): D71.1 MX71.2
Net-(D72-K): D72.1 MX72.2
Net-(D73-K): D73.1 MX73.2
Net-(D74-A): D74.2 Q2.1 R45.1
Net-(D75-K): D75.1 MX75.2
Net-(D76-K): D76.1 MX76.2
Net-(D77-K): D77.1 MX77.2
Net-(D78-K): D78.1 MX78.2
Net-(D79-K): D79.1 MX79.2
Net-(D80-K): D80.1 MX80.2
Net-(D81-K): D81.1 MX81.2
Net-(D82-K): D82.1 MX82.2
Net-(D83-K): D83.1 MX83.2
Net-(D85-K): D85.1 MX85.2
Net-(J1-CC1): J1.A5 R5.1
Net-(J1-CC2): J1.B5 R6.1
Net-(Q1-B): Q1.1 R32.2 R33.1
Net-(Q1-C): Q1.3 R29.2 R30.1
Net-(R28-Pad2): R28.2 R29.1
Net-(R32-Pad1): R32.1 R34.2
Net-(RD1-K): RD1.1 SW1.D
Net-(RN1B-R2.2): RN1.7 U1.1
Net-(RN1C-R3.2): RN1.6 U1.2
Net-(RN1D-R4.2): RN1.5 U1.20
Net-(RN2B-R2.2): RN2.7 U2.14
Net-(RN5A-R1.2): RN5.8 U2.20
Net-(RN5C-R3.2): RN5.6 U2.1
Net-(RN5D-R4.2): RN5.5 U2.2
Net-(RN6A-R1.2): RN6.8 U2.15
Net-(RN6B-R2.2): RN6.7 U2.16
Net-(RN6C-R3.2): RN6.6 U2.17
Net-(RN6D-R4.2): RN6.5 U2.18
Net-(U4-CTRL): C12.1 R24.2 U4.4
Net-(U4-FB): R26.2 R31.1 U4.3
Net-(U4-SW): D31.2 L1.2 U4.1
Net-(U5-BST): C84.2 U5.1
Net-(U5-ILIM): R7.1 U5.17
Net-(U5-ISET): R8.1 U5.15
Net-(U5-M0): R49.2 U5.7
Net-(U5-NTC): R35.1 R36.2 U5.16
Net-(U5-TMR): C75.1 U5.18
Net-(U5-VLIM): R38.1 R48.2 U5.19
Net-(U10-IO8): R52.1 U10.22
Net-(U10-IO18): R18.1 U10.24
Net-(U10-IO19): R19.1 U10.25
Net-(U10-IO20): R20.1 U10.26
Net-(U10-IO21): R21.1 U10.27
Net-(U10-IO22): R22.1 U10.28
Net-(U10-IO23): R23.1 U10.29
Net-(U11-SW): U11.4 U12.1
Net-(U14-BP): C66.1 U14.4
Net-(U15-L1): U15.4 U16.2
Net-(U15-L2): U15.2 U16.1

Pads without a net: FPC1 2; FPC2 1 3 5 16 17 19 20 23 25; J1 A8 B8; J3 5; RN2 5 6 8; U3 1 9 10 11 13 14 15 33 36 40; U5 12; U7 1 3 4 6 7 8 9 10 11 13 14 15 21 22 23 24 25 26 27 28 30 31 32 33 36 40; U9 23 24 25 42 43 44 45 46 47 52 53 58 63 64 65 68 80 81 82 83 84 86 87 88 89 90 92 94 95 97 104; U10 4 6 7 9 10 12 13 15 16 19 20 21 32 33 34 35; U11 6

## Via types
v1: diameter 0.6, hole 0.3, Top to Bottom, 886 vias
v2: diameter 0.508, hole 0.254, Top to Bottom, 200 vias
v3: diameter 0.4, hole 0.2, Top to Bottom, 20 vias
v4: diameter 0.8, hole 0.4, Top to Bottom, 41 vias
v5: diameter 0.3, hole 0.15, Top to Bottom, 1 via
